# Altium PCB PCB1.pcbdoc
Units mil, origin at the board's own origin, x right, y up, seen from the top; angles counter-clockwise.
Board outline 4360 x 4420 mil, 4 copper layers (Top Layer, Inner1, Inner2, Bottom Layer); 73 components, 69 nets, 319 pads, 109 vias.
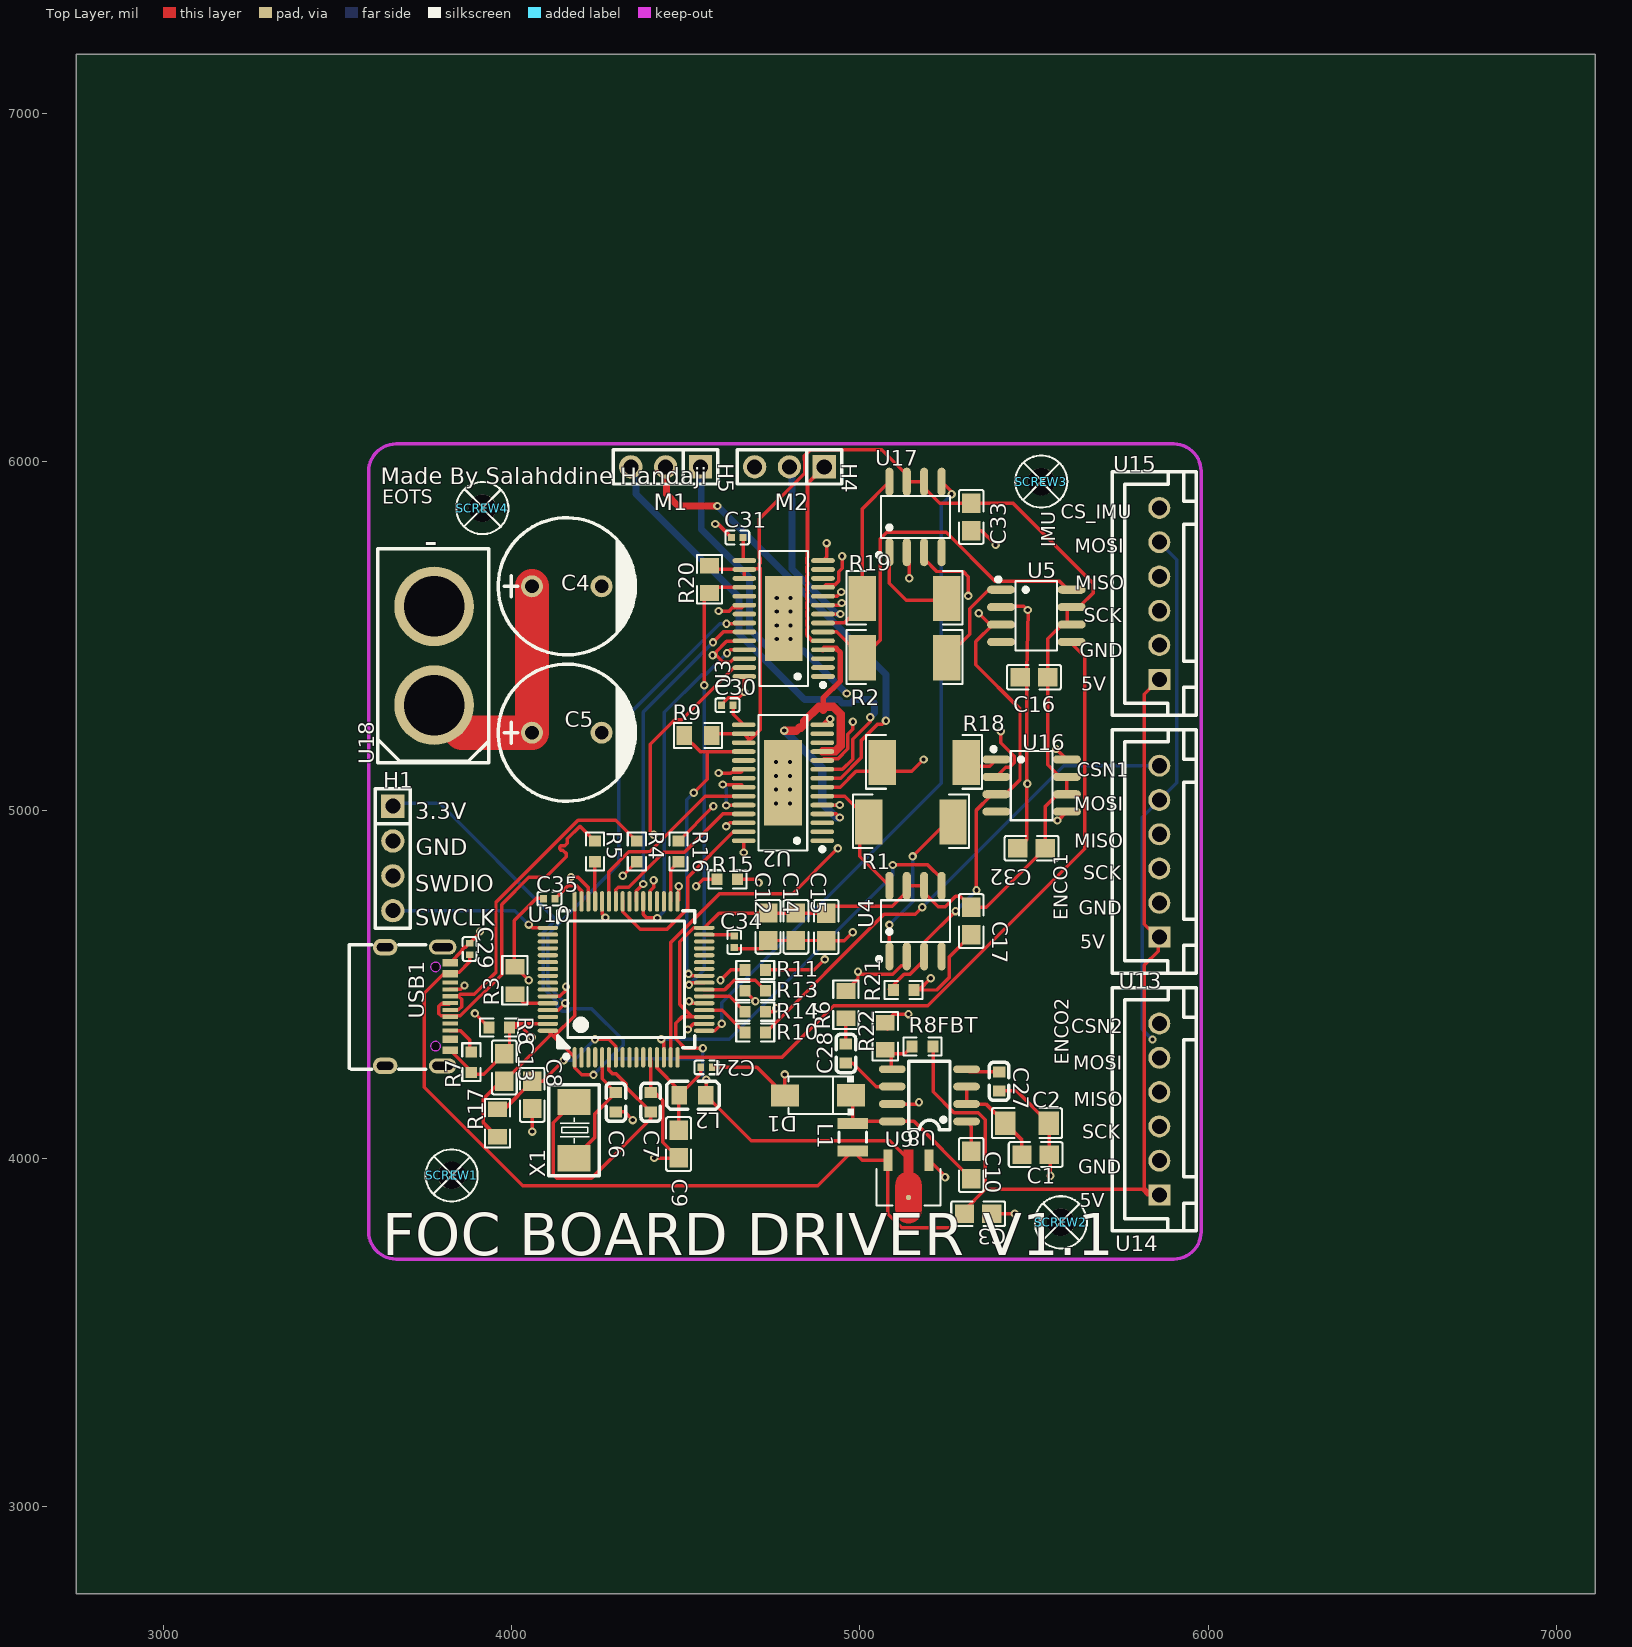
[diagram p0: Top Layer view]
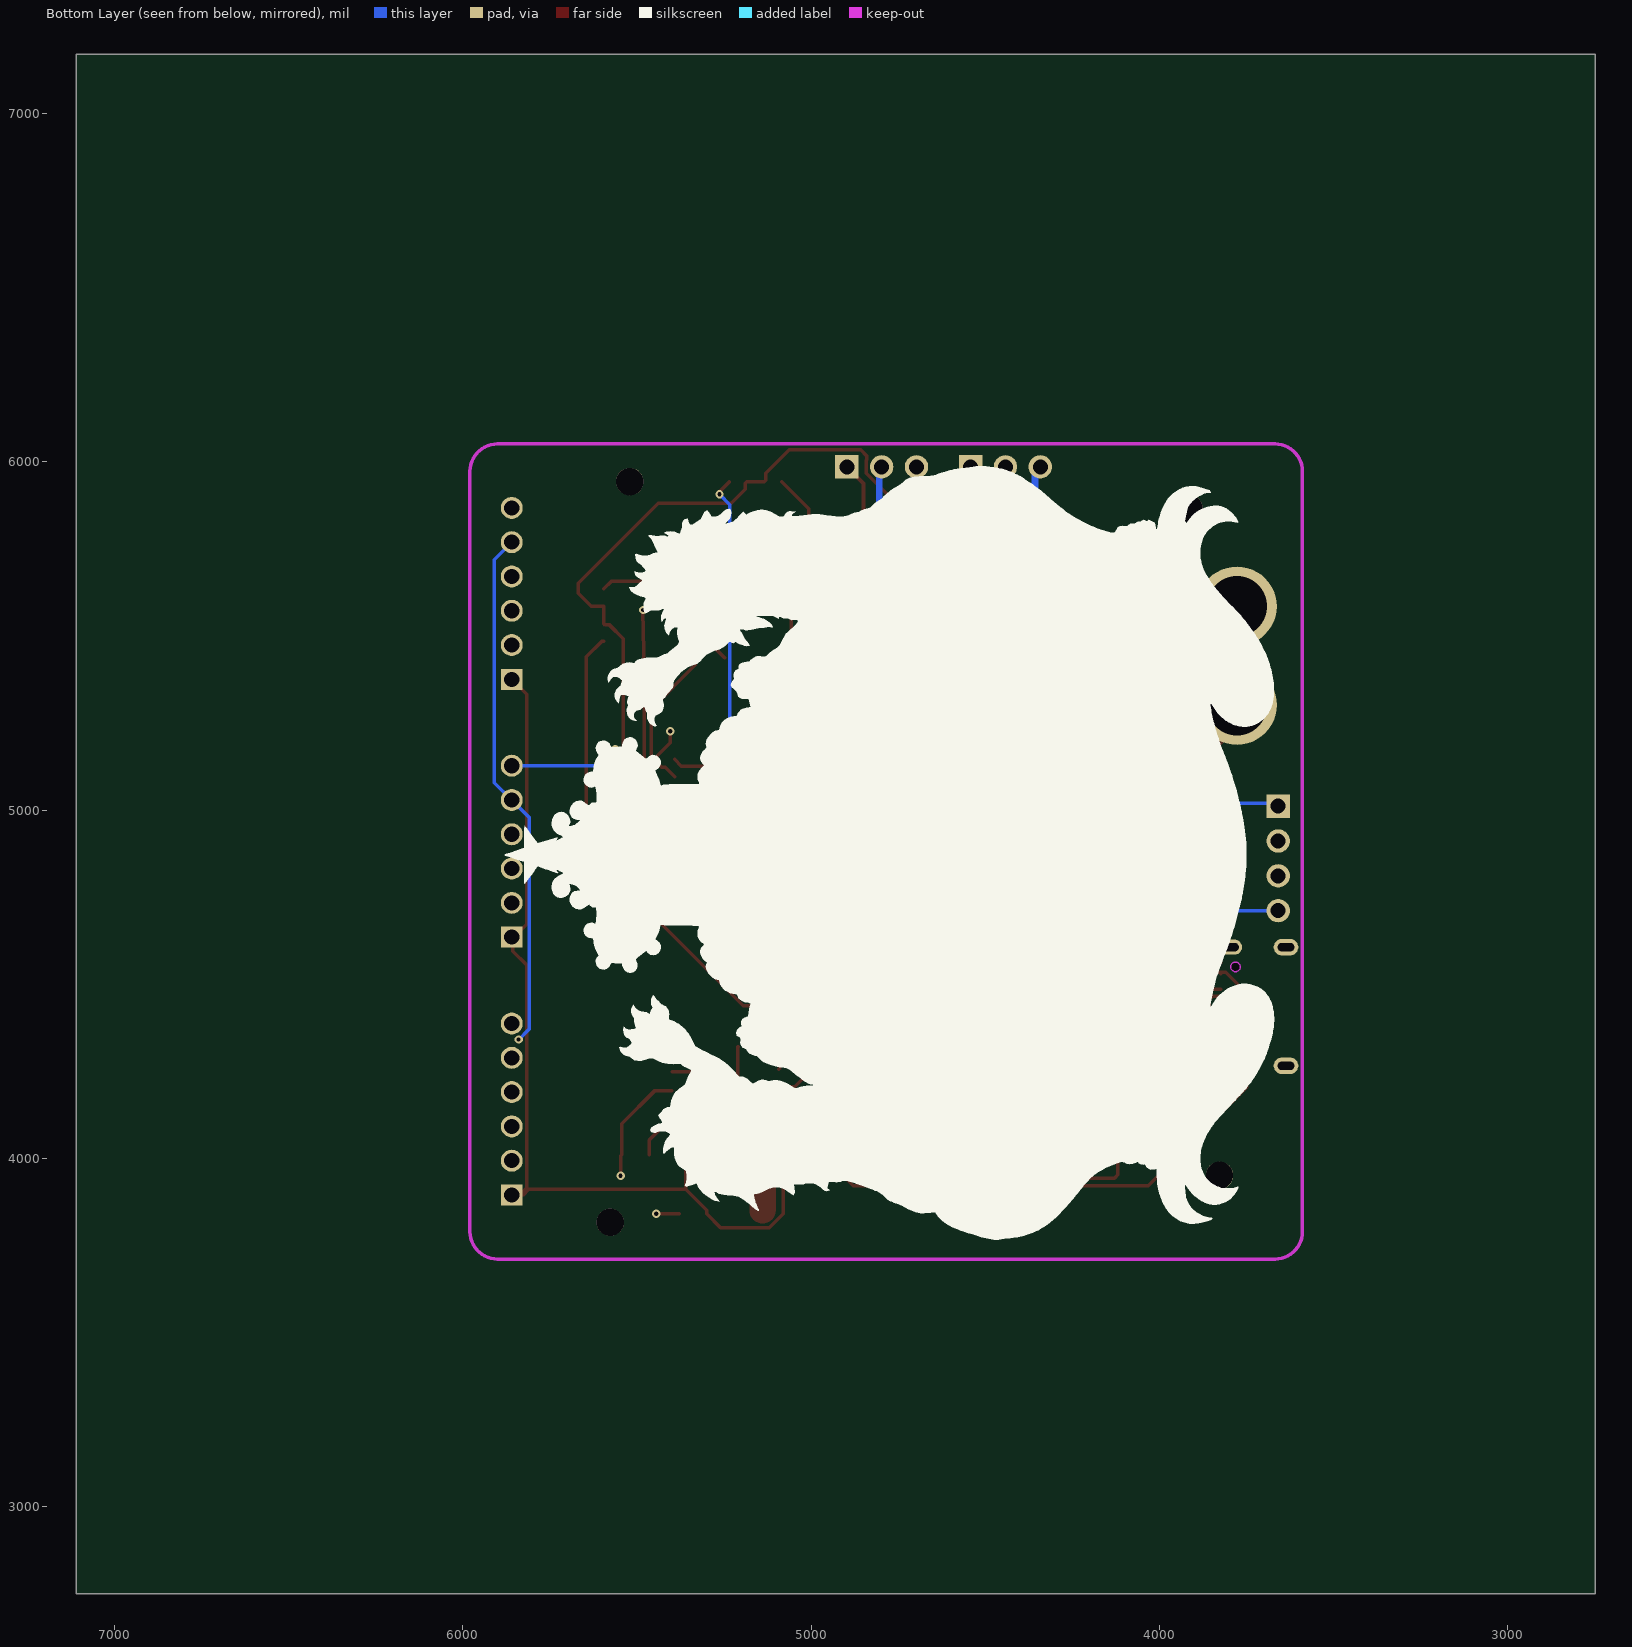
[diagram p1: Bottom Layer view, seen from below]
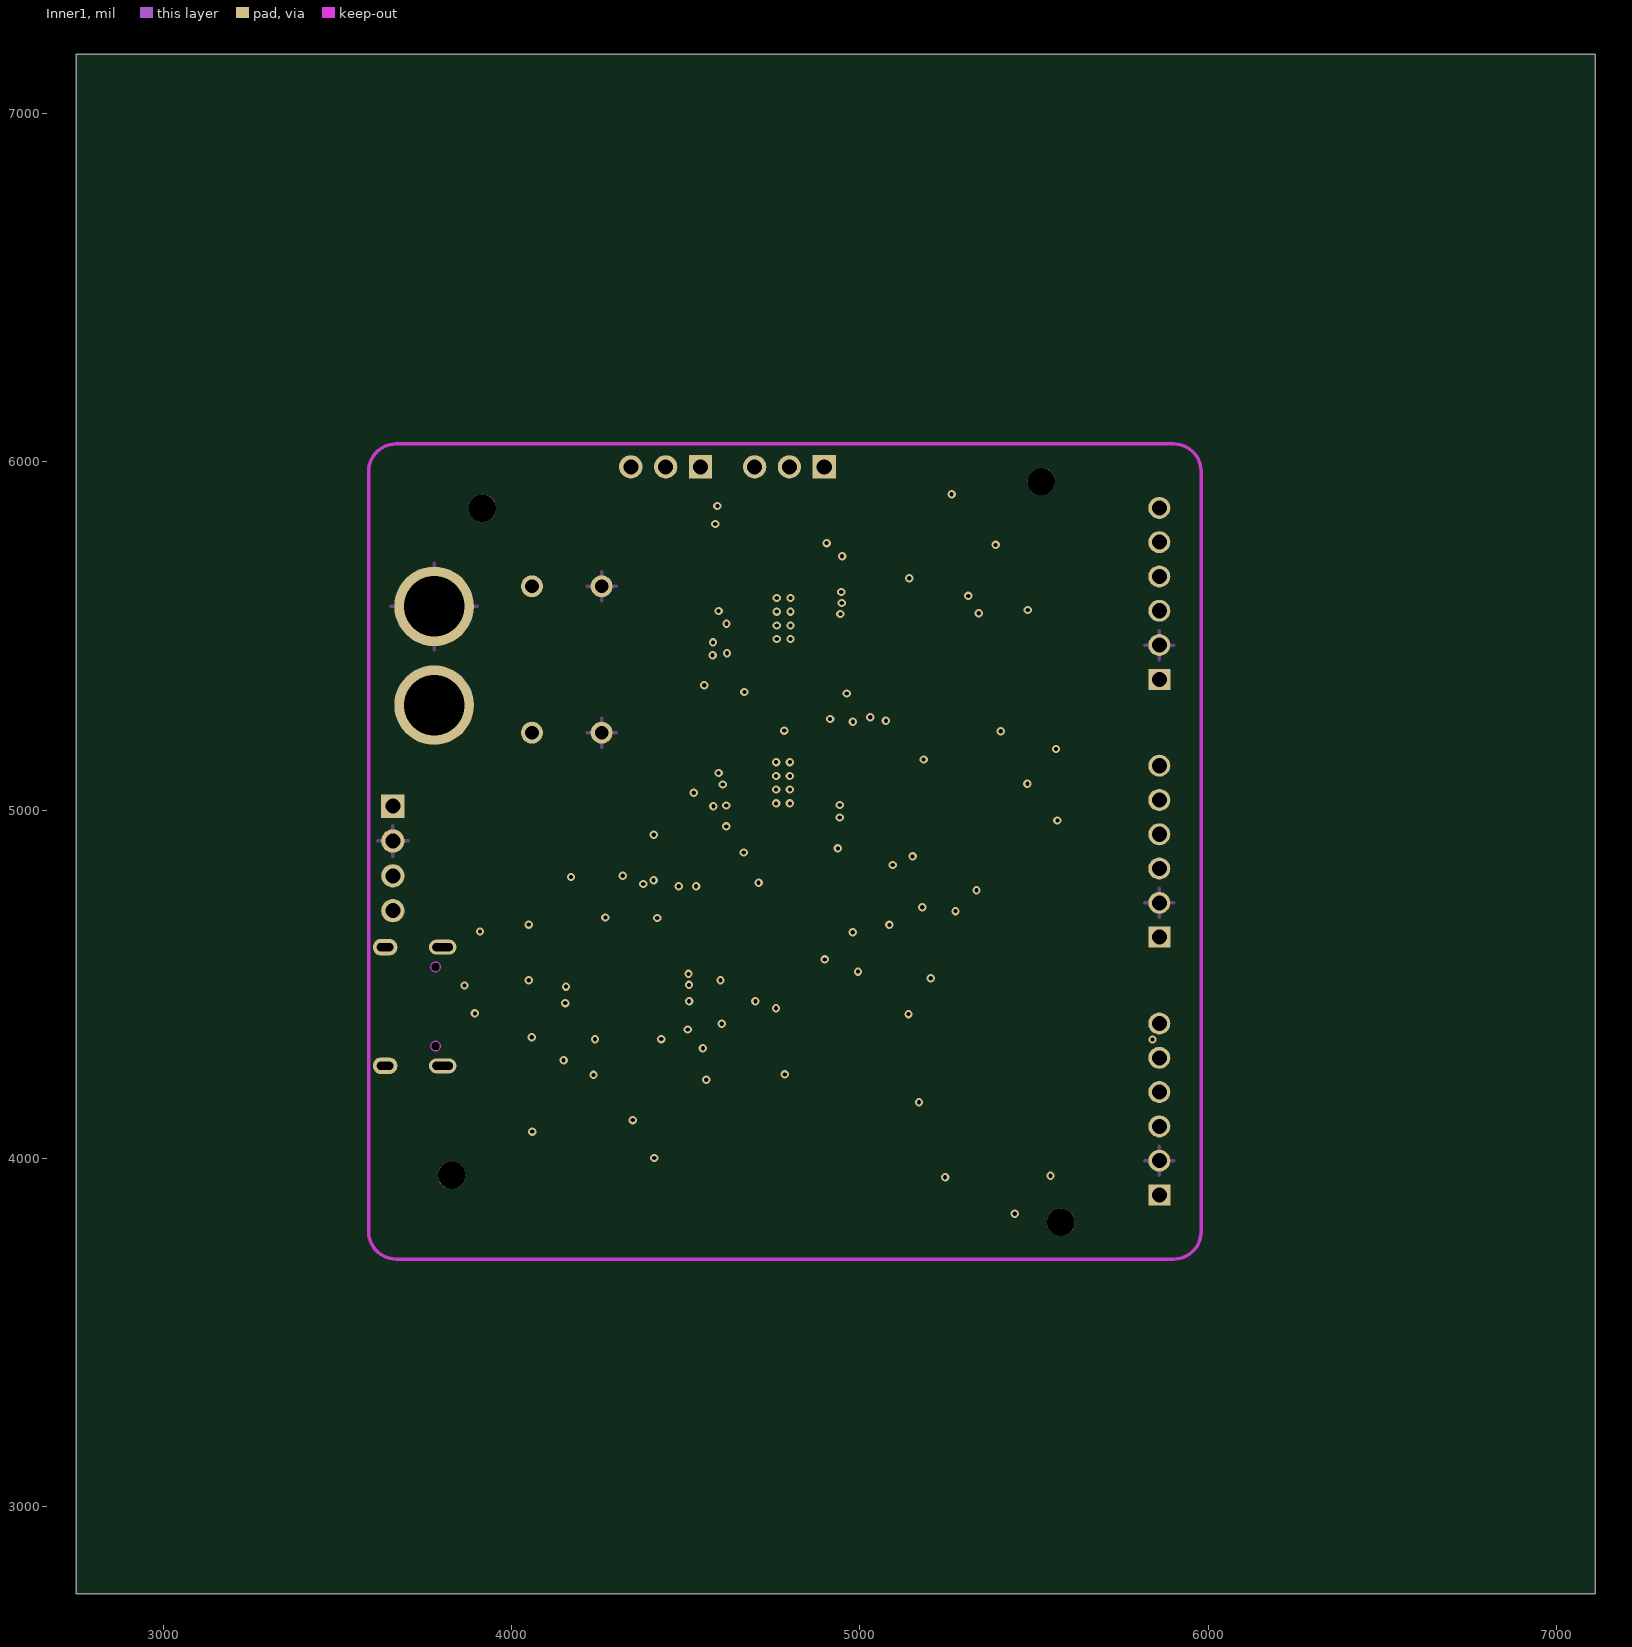
[diagram p2: Inner1]
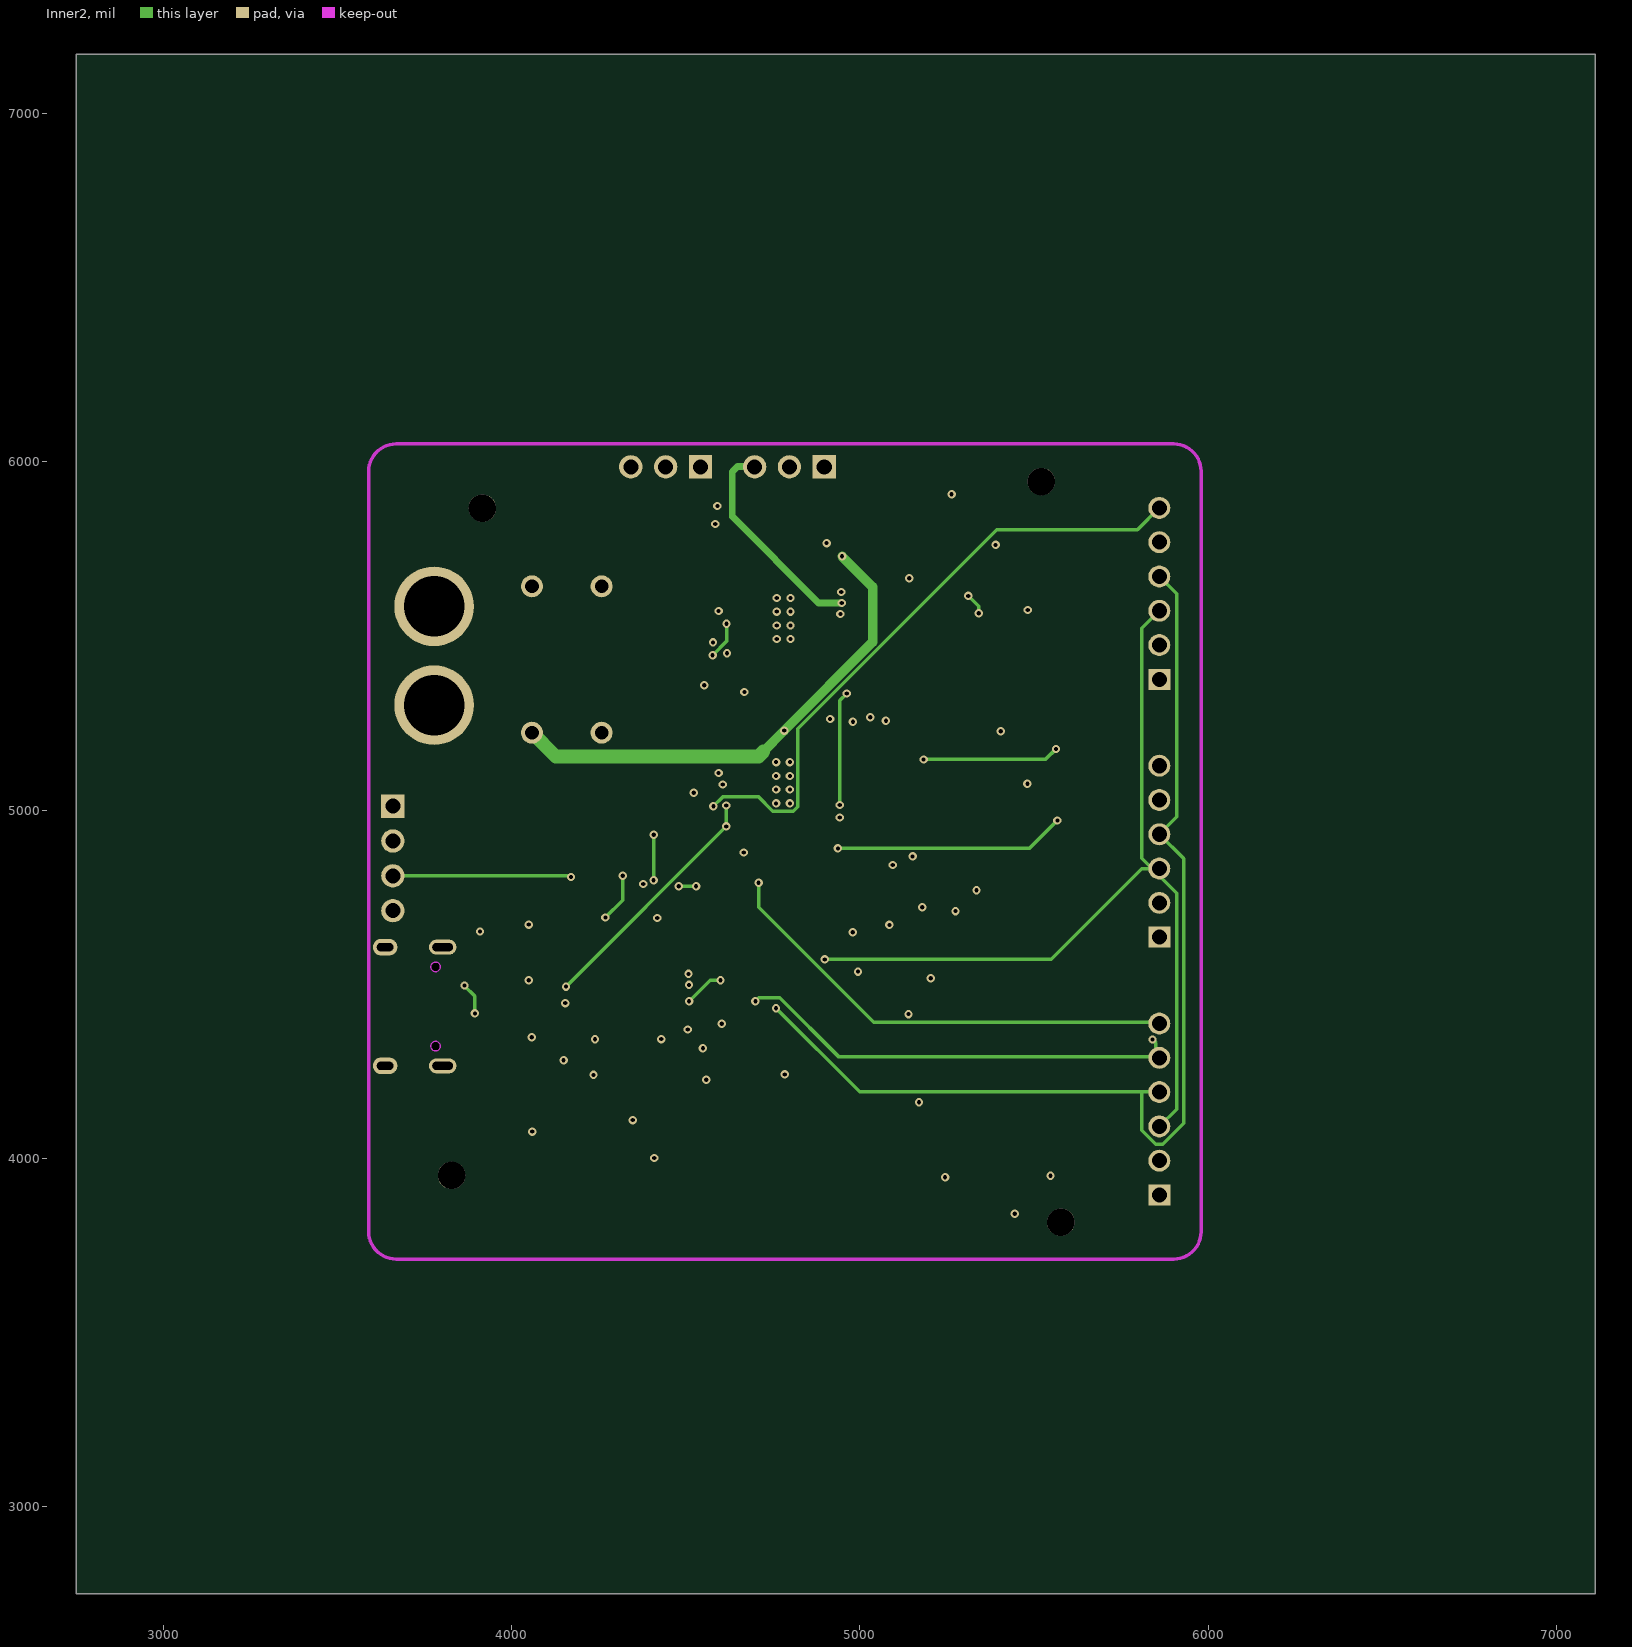
[diagram p3: Inner2]

## Layer stack, top to bottom
Top Layer: signal copper (thickness not stored)
Dielectric: dielectric 12.6, FR-4, Dk 4.8
Inner1: signal copper (thickness not stored)
Dielectric: dielectric 12.6, FR-4, Dk 4.8
Inner2: signal copper (thickness not stored)
Dielectric: dielectric 12.6, FR-4, Dk 4.8
Bottom Layer: signal copper (thickness not stored)

## Board outline
7110,2750 2750,2750 2750,7170 7110,7170

## Design rules (kind name [scope] priority, off if disabled: settings)
BoardOutlineClearance copperThickness1oz [All] p0: genericclearance=10 ignorepadtopadclearanceinfootprint=FALSE except(0: Arc-SplitContinuation Track-SplitContinuation SMDPad-SplitContinuation THPad-SplitContinuation Via-SplitContinuation Fill-SplitContinuation Poly-SplitContinuation Region-SplitContinuation Text-SplitContinuation; 6: Track-CutoutEdge SMDPad-CutoutEdge THPad-CutoutEdge Via-CutoutEdge Region-CutoutEdge; 11.8: Track-OutlineEdge SMDPad-OutlineEdge THPad-OutlineEdge Via-OutlineEdge Fill-OutlineEdge Region-OutlineEdge Poly-OutlineEdge Text-OutlineEdge Fill-CutoutEdge)
BoardOutlineClearance copperThickness2oz [All] p0: genericclearance=10 ignorepadtopadclearanceinfootprint=FALSE except(0: Arc-SplitContinuation Track-SplitContinuation SMDPad-SplitContinuation THPad-SplitContinuation Via-SplitContinuation Fill-SplitContinuation Poly-SplitContinuation Region-SplitContinuation Text-SplitContinuation; 6: Track-CutoutEdge SMDPad-CutoutEdge THPad-CutoutEdge Via-CutoutEdge Region-CutoutEdge; 11.8: Track-OutlineEdge SMDPad-OutlineEdge THPad-OutlineEdge Via-OutlineEdge Fill-OutlineEdge Region-OutlineEdge Poly-OutlineEdge Text-OutlineEdge Fill-CutoutEdge)
Clearance copperThickness1oz [(InNet('GND') OR InNet('$1N5055') OR InNet('5V') OR InNet('VBAT') OR InNet('$1N3669') OR InNet('$1N3715') OR InNet('$1N4303') OR InNet('$1N4271') OR InNet('$1N5161') OR InNet('$1N5165') OR InNet('3.3V') OR InNet('$1N2967') OR InNet('$1N3003') OR InNet('$1N5416') OR InNet('$1N5365') OR InNet('$1N5369') OR InNet('$1N6342') OR InNet('$1N6399') OR InNet('SWDIO') OR InNet('SWCLK') OR InNet('SNS_P1') OR InNet('SNS_N1') OR InNet('SNS_P2') OR InNet('SNS_N2') OR InNet('$1N4284') OR InNet('$1N4785') OR InNet('USB_DM') OR InNet('$1N4778') OR InNet('USB_DP') OR InNet('$1N5519') OR InNet('$1N5210') OR InNet('$1N5572') OR InNet('GPIO4') OR InNet('$1N7552') OR InNet('CSN1') OR InNet('$1N7595') OR InNet('SCK') OR InNet('$1N7681') OR InNet('MOSI') OR InNet('$1N7725') OR InNet('MISO') OR InNet('CSN2') OR InNet('$1N7772') OR InNet('CS_IMU') OR InNet('$1N9713') OR InNet('SNS_P11') OR InNet('SNS_N11') OR InNet('SNS_P22') OR InNet('SNS_N22') OR InNet('GPIO3') OR InNet('OUT1M1') OR InNet('OUT2M1') OR InNet('OUT3M1') OR InNet('PA8') OR InNet('GPIO1') OR InNet('PA9') OR InNet('PA10') OR InNet('OUT1M2') OR InNet('OUT2M2') OR InNet('OUT3M2') OR InNet('PB8') OR InNet('GPIO2') OR InNet('PB9') OR InNet('PB10') OR InNet('CURR_A1') OR InNet('INAGND') OR InNet('CURR_A2') OR InNet('CURR_B1') OR InNet('CURR_B2'))] p1: gap=7 ignorepadtopadclearanceinfootprint=FALSE except(4: Track-Track; 6: Track-SMDPad SMDPad-SMDPad Track-THPad SMDPad-THPad THPad-THPad Track-Via SMDPad-Via THPad-Via Via-Via SMDPad-Fill THPad-Fill Via-Fill Fill-Fill Track-Region SMDPad-Region THPad-Region Via-Region Region-Region Track-Poly SMDPad-Poly THPad-Poly Via-Poly Fill-Poly Region-Poly Poly-Poly Track-Text SMDPad-Text THPad-Text Via-Text Fill-Text Region-Text Poly-Text Text-Text; 6.9: Track-Hole SMDPad-Hole THPad-Hole Via-Hole Fill-Hole Region-Hole Poly-Hole Text-Hole Sheet-Hole; 11.8: Track-Fill Fill-Region Track-Sheet SMDPad-Sheet THPad-Sheet Via-Sheet Fill-Sheet Region-Sheet Poly-Sheet Text-Sheet)
Clearance copperThickness2oz [All] p1: gap=7 ignorepadtopadclearanceinfootprint=FALSE except(6: Track-SMDPad SMDPad-SMDPad Track-THPad SMDPad-THPad THPad-THPad Track-Via SMDPad-Via THPad-Via Via-Via SMDPad-Fill THPad-Fill Via-Fill Fill-Fill Track-Region SMDPad-Region THPad-Region Via-Region Region-Region Track-Poly SMDPad-Poly THPad-Poly Via-Poly Fill-Poly Region-Poly Poly-Poly Track-Text SMDPad-Text THPad-Text Via-Text Fill-Text Region-Text Poly-Text Text-Text; 6.9: Track-Hole SMDPad-Hole THPad-Hole Via-Hole Fill-Hole Region-Hole Poly-Hole Text-Hole Sheet-Hole; 8: Track-Track; 11.8: Track-Fill Fill-Region Track-Sheet SMDPad-Sheet THPad-Sheet Via-Sheet Fill-Sheet Region-Sheet Poly-Sheet Text-Sheet)
DiffPairsRouting differentialPair [All] p1: maxuncoupledlength=10 minlimit=6 maxlimit=6 mostfreqgap=6 toplayer_minwidth=5 toplayer_prefwidth=10 toplayer_maxwidth=100 bottomlayer_minwidth=5 bottomlayer_prefwidth=10 bottomlayer_maxwidth=100 midlayer1_minwidth=5 midlayer1_prefwidth=10 midlayer1_maxwidth=100 midlayer2_minwidth=5 midlayer2_prefwidth=10 midlayer2_maxwidth=100
PasteMaskExpansion pasteMaskExpansion [All] p1: expansion=0
PlaneConnect innerPlane [All] p1: planeconnectstyle=Relief reliefexpansion=20 reliefentries=4 reliefconductorwidth=10 reliefairgap=10
PolygonConnect copperRegion [All] p1: connectstyle=Relief reliefentries=4 reliefconductorwidth=10 polygonreliefangle="90 Angle" airgapwidth=10
RoutingVias viaSize [All] p1: viastyle="Through Hole" holewidth=12.0078 minholewidth=11.811 maxholewidth=248.0314 width=24.0158 minwidth=19.685 maxwidth=393.7008
SolderMaskExpansion solderMaskExpansion [All] p1: useseparateexpansions=TRUE expansion=2 expansionbottom=2
Width copperThickness1oz [All] p1: maxlimit=100 minlimit=5 preferedwidth=10
Width copperThickness2oz [All] p1: maxlimit=100 minlimit=8 preferedwidth=10

## Components (designator, comment, footprint, x,y, rotation, side; value= is the part's Value field where it differs from the comment)
C1 "FCC0805X106K100FT" C0805 5504.45,4011.26 r0 top
C2 "TCC1206X5R476M100HT" C1206 5479.45,4101.26 r0 top
C3 "0805X226M160NT" C0805 5339.45,3841.26 r180 top
C4 "ERR1VM102G20OT" CAP-TH_BD10.0-P5.00-D1.0-FD 4158.51,5642.19 r0 top
C5 "ERR1VM102G20OT" CAP-TH_BD10.0-P5.00-D1.0-FD 4158.51,5222.19 r0 top
C6 "CC0603JRNPO9BN180" C0603 4299.45,4161.26 r270 top
C7 "CC0603JRNPO9BN180" C0603 4399.45,4161.26 r270 top
C8 "TCC0805X7R104K500DT" C0805 4059.45,4182.52 r270 top
C9 "TCC0805X7R104K500DT" C0805 4479.45,4041.26 r270 top
C10 "TCC0805X7R104K500DT" C0805 5319.45,3981.26 r270 top
C12 "TCC0805X7R104K500DT" C0805 4736.29,4664.98 r270 top
C13 "TCC0805X7R104K500DT" C0805 3979.45,4261.26 r90 top
C14 "TCC0805X7R104K500DT" C0805 4816.29,4664.98 r270 top
C15 "TCC0805X7R104K500DT" C0805 4903.16,4664.42 r270 top
C16 "TCC0805X7R104K500DT" C0805 5499.45,5381.26 r0 top
C17 "TCC0805X7R104K500DT" C0805 5319.45,4681.26 r270 top
C24 "TCC0402X5R105M6R3AT" C0402 4559.45,4261.26 r180 top
C27 "FCC0603B103K500CT" C0603 5399.45,4221.26 r90 top
C28 "CC0603KRX7R9BB332" C0603 4959.45,4301.26 r90 top
C29 "TCC0402X5R105M6R3AT" C0402 3879.45,4601.26 r270 top
C30 "TCC0402X5R105M6R3AT" C0402 4619.45,5301.26 r0 top
C31 "TCC0402X5R105M6R3AT" C0402 4647.93,5782.39 r0 top
C32 "TCC0805X7R104K500DT" C0805 5492.75,4890.32 r180 top
C33 "TCC0805X7R104K500DT" C0805 5319.45,5841.26 r90 top
C34 "CGA0402X5R225M6R3GT" C0402 4639.06,4621.81 r270 top
C35 "CGA0402X5R225M6R3GT" C0402 4108.55,4745.31 r180 top
D1 "B340A_C48642440" SMA_L4.3-W2.6-LS5.0-RD 4879.45,4181.26 r180 top
H1 "PZ254V-11-04P" HDR-TH_4P-P2.54-V-M 3659.45,4861.26 r270 top
H4 "254PZ-1x3P-V" HDR-TH_3P-P2.54-V-M 4797.68,5985.16 r180 top
H5 "254PZ-1x3P-V" HDR-TH_3P-P2.54-V-M 4442.28,5985.16 r180 top
L1 "FTC252012S2R2MBCA" IND-SMD_L2.5-W2.0_MHCHL2520 4979.45,4061.26 r270 top
L2 "HCB2012KV-600T30" L0805 4519.45,4181.26 r180 top
R1 "RE2512F3R050" RES-SMD_L6.4-W3.2-R2512 5146.39,4965.63 r0 top
R2 "RE2512F3R050" RES-SMD_L6.4-W3.2-R2512 5127.93,5437.39 r0 top
R3 "FRC0805J103TS" R0805 4009.45,4511.26 r90 top
R4 "FRC0603J220 TS" R0603 4359.45,4881.26 r270 top
R5 "FRC0603J220 TS" R0603 4239.45,4881.26 r270 top
R6 "FRC0805J103TS" R0805 4959.45,4441.26 r90 top
R7 "FRC0603F5101TS" R0603 3884.45,4276.26 r90 top
R8 "FRC0603F5101TS" R0603 3964.45,4376.26 r180 top
R8FBT "0603WAF5232T5E" R0603 5179.45,4321.26 r0 top
R9 "FRC0805J103TS" R0805 4535.1,5213.75 r0 top
R10 "FRC0603F47R0TS" R0603 4699.45,4361.26 r180 top
R11 "FRC0603F47R0TS" R0603 4699.45,4541.26 r180 top
R13 "FRC0603F47R0TS" R0603 4699.45,4481.26 r0 top
R14 "FRC0603F47R0TS" R0603 4699.45,4421.26 r180 top
R15 "FRC0603F47R0TS" R0603 4619.45,4801.26 r0 top
R16 "FRC0603F47R0TS" R0603 4479.45,4881.26 r90 top
R17 "FRC0805J103TS" R0805 3959.45,4101.26 r90 top
R18 "RE2512F3R050" RES-SMD_L6.4-W3.2-R2512 5184.45,5136.26 r0 top
R19 "RE2512F3R050" RES-SMD_L6.4-W3.2-R2512 5127.93,5607.39 r0 top
R20 "FRC0805J103TS" R0805 4567.93,5662.39 r90 top
R21 "FRC0603P000 TS" R0603 5125.58,4483.53 r180 top
R22 "FRC0805J103TS" R0805 5072.76,4350.75 r90 top
SCREW1 "Screw-Hole-M2" Screw-Hole-M2 3827.87,3951.18 r0 top
SCREW2 "Screw-Hole-M2" Screw-Hole-M2 5576.73,3816.74 r0 top
SCREW3 "Screw-Hole-M2" Screw-Hole-M2 5520.51,5942.99 r0 top
SCREW4 "Screw-Hole-M2" Screw-Hole-M2 3916.22,5866.69 r0 top
U2 "DRV8313PWPR" HTSSOP-28_L9.8-W4.5-P0.65-LS6.6-BL-EP 4779.15,5078.39 r90 top
U3 "DRV8313PWPR" HTSSOP-28_L9.8-W4.5-P0.65-LS6.6-BL-EP 4781.06,5549.79 r90 top
U4 "INA240A1D" SOIC-8_L4.9-W3.9-P1.27-LS6.0-BL 5159.45,4681.26 r0 top
U5 "INA240A1D" SOIC-8_L4.9-W3.9-P1.27-LS6.0-BL 5506.18,5557.46 r270 top
U8 "TPS54331DR" SOIC-8_L5.0-W4.0-P1.27-LS6.0-BL 5199.45,4181.26 r90 top
U9 "AMS1117-3.3_C6067465" SOT-89-3_L4.5-W2.5-P1.50-LS4.2-BR 5139.45,3941.26 r90 top
U10 "STM32F405RGT6" LQFP-64_L10.0-W10.0-P0.50-LS12.0-BL 4328.8,4513.89 r0 top
U13 "ZX-XH2.54-6PZZ" CONN-TH_6P-P2.50_ZX-XH2.54-6PZZ 5859.45,4881.26 r90 top
U14 "ZX-XH2.54-6PZZ" CONN-TH_6P-P2.50_ZX-XH2.54-6PZZ 5859.45,4141.26 r90 top
U15 "ZX-XH2.54-6PZZ" CONN-TH_6P-P2.50_ZX-XH2.54-6PZZ 5859.45,5621.26 r90 top
U16 "INA240A1D" SOIC-8_L4.9-W3.9-P1.27-LS6.0-BL 5492.75,5070.32 r270 top
U17 "INA240A1D" SOIC-8_L4.9-W3.9-P1.27-LS6.0-BL 5159.45,5841.26 r0 top
U18 "XT60-M." CONN-TH_XT60 3777.68,5443.03 r90 top